# KiCad board MozzaCircuit.kicad_pcb (continued)
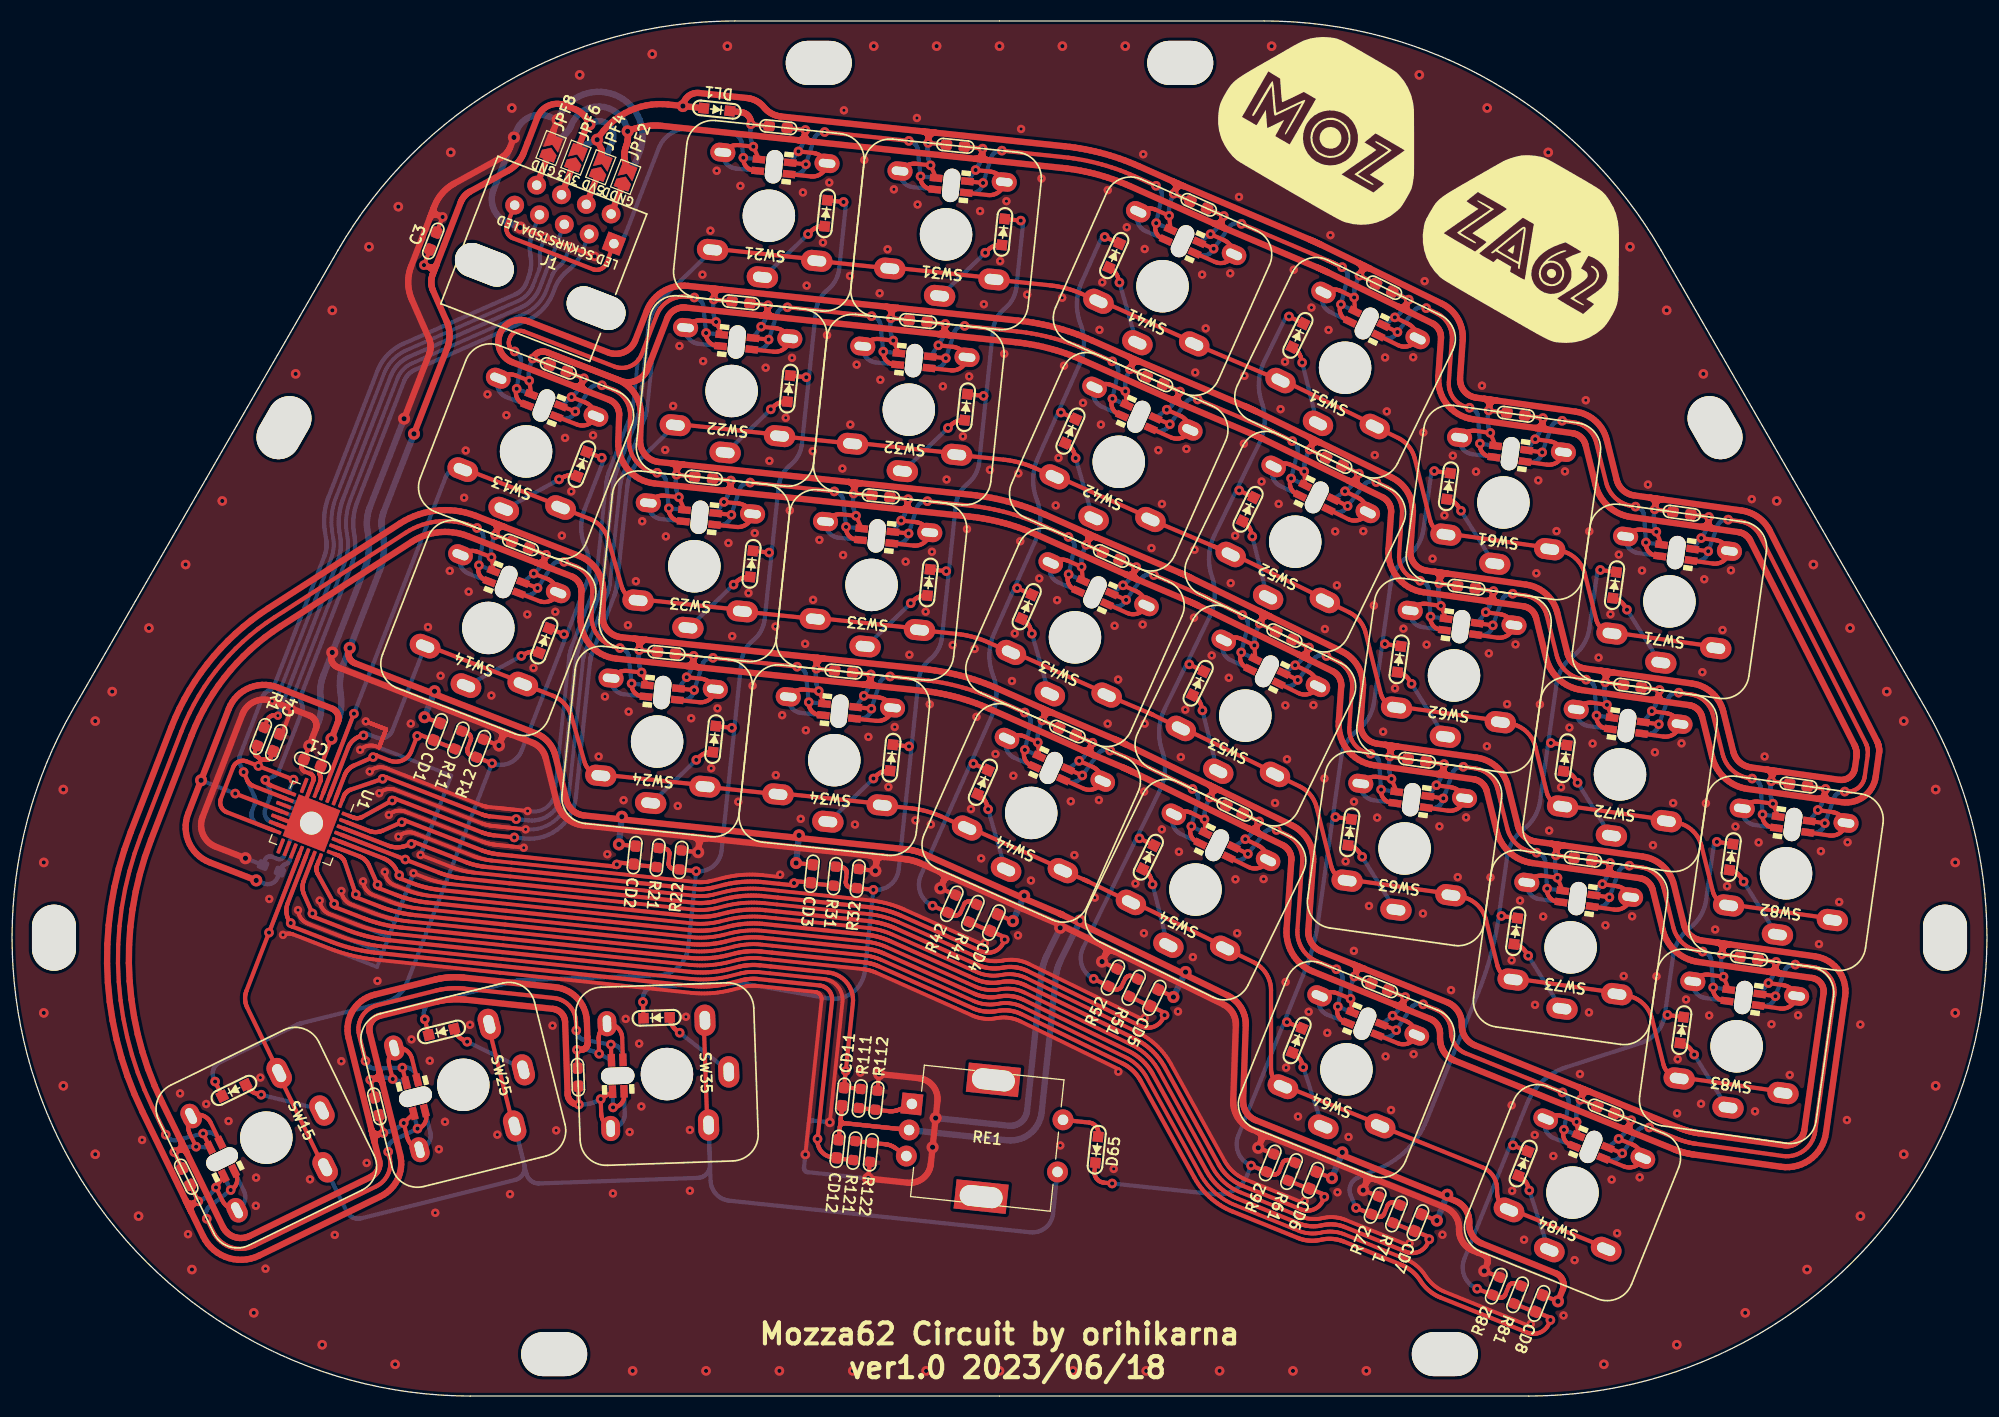
[diagram p0: board, top side]
## Routing (per net, layer and track width the routed paths; a pad name or vN(x,y) marks a point on that pad's centre or on a via; arc(x,y) is an arc through that point) (continued)
GND: length 1603.4
  Top w0.36: v3(33.75,64.36) 35.69,63.6 ; v3(33.75,64.36) 35.69,63.6 ; v3(33.75,64.36) 35.69,63.6 ; v3(33.75,64.36) 35.69,63.6 ; v3(33.75,64.36) 35.69,63.6 ; v3(33.75,64.36) 35.69,63.6 ; v3(33.75,64.36) 35.69,63.6 ; v3(33.75,64.36) 35.69,63.6 ; v3(33.75,64.36) 35.69,63.6 ; v3(33.75,64.36) 35.69,63.6 ; v3(33.75,64.36) 35.69,63.6 ; 35.69,63.6 35.02,61.87 ; 35.69,63.6 35.02,61.87 ; 35.69,63.6 35.02,61.87 ; 35.69,63.6 35.02,61.87 ; 35.69,63.6 35.02,61.87 ; 35.69,63.6 35.02,61.87 ; 35.69,63.6 35.02,61.87 ; 35.69,63.6 35.02,61.87 ; 35.69,63.6 35.02,61.87 ; 35.69,63.6 35.02,61.87 ; 35.69,63.6 35.02,61.87 ; 48.01,54.16 45.8,54.4 45.73,54.4 45.66,54.41 45.6,54.42 45.53,54.43 45.47,54.45 45.4,54.46 45.34,54.47 45.27,54.49 45.21,54.51 45.15,54.52 45.08,54.54 45.02,54.56 44.95,54.59 44.89,54.61 44.83,54.63 36.84,57.73 36.61,57.82 36.5,57.86 36.39,57.88 36.28,57.9 36.17,57.92 36.06,57.92 35.95,57.91 35.83,57.9 35.72,57.88 35.62,57.85 35.51,57.81 35.41,57.76 35.31,57.71 35.21,57.65 35.12,57.58 v3(35.04,57.51) ; v3(48.82,52.31) 45.84,52.62 ; 92.73,43.03 85.1,46.43 84.9,46.51 84.69,46.6 84.48,46.68 84.27,46.75 84.06,46.82 83.85,46.89 83.64,46.95 83.42,47.01 83.21,47.06 82.99,47.11 82.77,47.15 82.56,47.19 82.34,47.23 82.12,47.26 81.9,47.28 73.12,48.21 71.73,48.35 71.47,48.38 71.22,48.39 70.97,48.41 70.71,48.41 70.46,48.41 70.2,48.41 69.95,48.39 69.69,48.38 69.44,48.35 69.19,48.32 68.93,48.29 68.68,48.25 68.43,48.2 68.18,48.15 67.94,48.09 66.97,47.85 66.85,47.82 66.73,47.79 66.61,47.77 66.49,47.75 66.37,47.73 66.24,47.72 66.12,47.71 66,47.7 65.87,47.69 65.75,47.69 65.62,47.69 65.5,47.69 65.38,47.7 65.25,47.71 65.13,47.72 47.53,49.57 44.14,49.93 43.99,49.94 43.85,49.96 43.7,49.98 43.55,50.01 43.41,50.04 43.26,50.07 43.12,50.1 42.97,50.13 42.83,50.17 42.69,50.21 42.54,50.25 42.4,50.3 42.26,50.34 42.12,50.39 41.98,50.45 v3(38.97,51.61) ; 35.02,61.87 34.78,61.96 34.68,62 34.57,62.03 34.46,62.05 34.34,62.06 34.23,62.06 34.12,62.06 34.01,62.04 33.9,62.02 33.79,61.99 33.68,61.95 33.58,61.9 33.48,61.85 33.39,61.79 33.3,61.72 v3(33.21,61.65) ; 123.25,18.41 117.7,20.66 117.53,20.73 117.37,20.81 117.21,20.89 117.06,20.99 116.91,21.09 116.76,21.19 116.62,21.31 116.48,21.43 116.35,21.56 116.23,21.69 116.11,21.83 116,21.97 115.89,22.12 115.79,22.27 115.7,22.42 110.57,31.68 110.42,31.93 110.26,32.19 110.09,32.43 109.91,32.67 109.72,32.9 109.53,33.12 109.32,33.33 109.1,33.53 108.88,33.73 108.65,33.92 108.41,34.09 108.16,34.26 107.91,34.42 107.65,34.56 107.39,34.7 96.8,39.86 96.65,39.93 96.5,39.99 96.35,40.05 96.19,40.1 96.04,40.14 95.88,40.17 95.72,40.2 95.56,40.22 95.4,40.24 95.23,40.24 95.07,40.24 94.91,40.24 94.75,40.22 94.59,40.2 94.43,40.18 94.27,40.15 94.1,40.13 93.94,40.11 93.78,40.1 93.62,40.1 93.45,40.11 93.29,40.12 93.13,40.14 92.97,40.16 92.81,40.19 92.65,40.23 92.49,40.28 92.34,40.33 92.18,40.39 92.03,40.45 91.65,40.62 84.03,44.01 83.87,44.08 83.72,44.14 83.56,44.2 83.41,44.26 83.25,44.31 83.09,44.36 82.93,44.41 82.77,44.45 82.61,44.49 82.44,44.53 82.28,44.56 82.12,44.59 81.95,44.62 81.79,44.64 81.62,44.66 72.85,45.58 71.85,45.68 71.61,45.71 71.36,45.73 71.12,45.74 70.87,45.74 70.62,45.74 70.38,45.74 70.13,45.73 69.88,45.71 69.64,45.68 69.39,45.66 69.15,45.62 68.91,45.58 68.66,45.54 68.42,45.49 68.18,45.43 67.61,45.29 67.43,45.24 67.25,45.2 67.07,45.17 66.89,45.14 66.7,45.11 66.52,45.09 66.33,45.08 66.15,45.06 65.96,45.05 65.78,45.05 65.59,45.05 65.41,45.05 65.22,45.06 65.04,45.08 64.85,45.09 47.25,46.94 39.89,47.72 39.75,47.73 39.6,47.75 39.46,47.77 39.32,47.8 39.17,47.83 39.03,47.85 38.89,47.89 38.74,47.92 38.6,47.96 38.46,48 38.32,48.04 38.18,48.08 38.05,48.13 37.91,48.18 37.77,48.23 36.74,48.63 36.51,48.72 36.41,48.76 36.31,48.82 36.21,48.88 36.12,48.94 36.04,49.02 35.96,49.1 35.88,49.18 35.82,49.27 35.76,49.37 35.7,49.47 35.66,49.57 35.62,49.68 35.6,49.79 35.58,49.9 v3(35.56,50.01) ; 47.83,52.41 46.22,52.58 46.12,52.59 46.03,52.61 45.93,52.62 45.83,52.64 45.74,52.65 45.64,52.67 45.55,52.7 45.45,52.72 45.36,52.74 45.26,52.77 45.17,52.8 45.08,52.83 44.98,52.86 44.89,52.89 44.8,52.93 37.76,55.66 37.52,55.75 37.42,55.79 37.31,55.81 37.2,55.83 37.08,55.85 36.97,55.85 36.86,55.84 36.75,55.83 36.64,55.81 36.53,55.78 36.42,55.74 36.32,55.69 36.22,55.64 36.13,55.58 36.04,55.51 v3(35.95,55.44) ; 48.19,55.91 45.37,56.21 45.34,56.21 45.27,56.22 45.23,56.23 45.16,56.24 45.13,56.25 45.03,56.28 44.99,56.29 44.96,56.3 44.93,56.31 44.89,56.32 44.86,56.34 35.93,59.8 35.7,59.89 35.59,59.93 35.48,59.96 35.37,59.98 35.26,59.99 35.14,59.99 35.03,59.99 34.92,59.97 34.81,59.95 34.7,59.92 34.6,59.88 34.49,59.83 34.39,59.78 34.3,59.72 34.21,59.65 v3(34.13,59.58) ; 107.97,35.89 96.99,41.24 96.85,41.31 96.69,41.37 96.54,41.42 96.38,41.47 96.22,41.52 96.06,41.55 95.9,41.58 95.74,41.6 95.58,41.62 95.41,41.62 95.25,41.62 95.08,41.62 94.92,41.6 94.76,41.58 94.6,41.55 94.58,41.55 94.42,41.52 94.26,41.5 94.1,41.49 93.94,41.48 93.77,41.48 93.61,41.48 93.45,41.49 93.29,41.51 93.12,41.54 92.96,41.57 92.81,41.61 92.65,41.65 92.49,41.7 92.34,41.76 92.19,41.82 84.56,45.22 84.38,45.3 84.2,45.37 84.02,45.44 83.84,45.51 83.66,45.57 83.47,45.63 83.28,45.68 83.1,45.73 82.91,45.78 82.72,45.82 82.53,45.86 82.34,45.89 82.14,45.92 81.95,45.95 81.76,45.97 72.99,46.89 71.82,47.02 71.57,47.04 71.31,47.06 71.06,47.07 70.8,47.08 70.55,47.08 70.3,47.07 70.04,47.06 69.79,47.04 69.53,47.02 69.28,46.99 69.03,46.95 68.78,46.91 68.53,46.86 68.28,46.81 68.03,46.75 67.29,46.57 67.14,46.53 66.99,46.5 66.84,46.47 66.69,46.45 66.53,46.42 66.38,46.41 66.23,46.39 66.07,46.38 65.92,46.37 65.76,46.37 65.61,46.37 65.46,46.37 65.3,46.38 65.15,46.39 64.99,46.41 47.39,48.26 41.92,48.83 41.76,48.85 41.59,48.87 41.43,48.9 41.26,48.92 41.09,48.96 40.93,48.99 40.77,49.03 40.6,49.07 40.44,49.11 40.28,49.15 40.12,49.2 39.96,49.25 39.8,49.31 39.64,49.36 39.48,49.42 v3(38.3,49.88) ; v3(33.49,49.1) 33.51,48.98 33.53,48.87 33.55,48.76 33.59,48.66 33.63,48.55 33.69,48.45 33.75,48.36 33.81,48.27 33.89,48.18 33.97,48.1 34.05,48.03 34.14,47.96 34.24,47.9 34.34,47.85 34.44,47.81 34.67,47.72 36.05,47.18 36.23,47.11 36.41,47.05 36.6,46.99 36.79,46.93 36.97,46.87 37.16,46.82 37.35,46.77 37.54,46.72 37.73,46.68 37.92,46.64 38.11,46.61 38.31,46.57 38.5,46.54 38.69,46.52 38.89,46.5 47.11,45.63 64.72,43.78 64.93,43.76 65.15,43.75 65.37,43.74 65.58,43.73 65.8,43.73 66.01,43.74 66.23,43.75 66.44,43.76 66.66,43.78 66.87,43.81 67.09,43.84 67.3,43.87 67.51,43.91 67.72,43.96 67.93,44.01 68.5,44.15 68.71,44.2 68.92,44.24 69.14,44.28 69.35,44.32 69.56,44.35 69.78,44.37 69.99,44.39 70.21,44.41 70.42,44.42 70.64,44.42 70.85,44.42 71.07,44.42 71.29,44.41 71.5,44.39 71.72,44.37 72.71,44.27 81.48,43.35 81.62,43.33 81.76,43.31 81.9,43.29 82.03,43.26 82.17,43.24 82.31,43.21 82.44,43.17 82.58,43.14 82.71,43.1 82.84,43.06 82.97,43.01 83.1,42.97 83.23,42.92 83.36,42.86 83.49,42.81 91.12,39.41 91.89,39.07 92.04,39.01 92.19,38.95 92.34,38.9 92.5,38.85 92.65,38.82 92.81,38.79 92.97,38.76 93.13,38.74 93.29,38.73 93.45,38.73 93.62,38.73 93.78,38.74 93.94,38.75 94.1,38.77 94.26,38.8 94.42,38.83 94.58,38.85 94.74,38.86 94.9,38.87 95.06,38.87 95.22,38.86 95.38,38.84 95.54,38.82 95.7,38.8 95.85,38.76 96.01,38.72 96.16,38.67 96.31,38.62 96.46,38.56 96.61,38.49 106.81,33.51 107.03,33.4 107.24,33.28 107.44,33.15 107.65,33.02 107.84,32.87 108.03,32.72 108.22,32.56 108.39,32.39 108.56,32.22 108.72,32.04 108.88,31.85 109.03,31.65 109.17,31.45 109.3,31.25 109.42,31.04 114.55,21.78 114.67,21.58 114.8,21.37 114.94,21.18 115.09,20.99 115.25,20.8 115.41,20.63 115.59,20.46 115.77,20.3 115.95,20.15 116.15,20.01 116.35,19.87 116.56,19.75 116.77,19.63 116.99,19.53 117.21,19.43 122.75,17.19 122.86,17.15 122.99,17.1 123.14,17.05 123.28,17.01 123.42,16.97 123.57,16.94 123.72,16.92 123.86,16.9 124.01,16.89 124.16,16.88 124.31,16.88 124.46,16.89 124.6,16.9 124.75,16.92 124.9,16.95 125.04,16.98 125.19,17.01 125.34,17.03 125.48,17.05 125.63,17.06 125.78,17.07 125.93,17.07 126.08,17.06 126.23,17.05 126.37,17.04 126.52,17.01 126.67,16.98 126.81,16.95 126.95,16.9 127.09,16.86 127.23,16.8 133.26,14.37 ; v3(25.85,43.99) 25.91,44.02 25.96,44.04 26.02,44.06 26.08,44.08 26.14,44.09 26.2,44.11 26.26,44.11 26.33,44.12 26.39,44.12 26.45,44.12 26.51,44.11 26.57,44.1 26.63,44.09 26.69,44.08 26.75,44.06 26.81,44.04 30.22,42.72 30.51,42.61 30.8,42.5 31.1,42.4 31.4,42.31 31.7,42.22 32,42.14 32.3,42.06 32.6,41.98 32.9,41.92 33.21,41.85 33.52,41.8 33.82,41.74 34.13,41.7 34.44,41.66 34.75,41.62 46.56,40.38 64.8,38.46 65.06,38.44 65.31,38.42 65.56,38.41 65.82,38.4 66.07,38.4 66.33,38.41 66.58,38.42 66.84,38.44 67.09,38.46 67.34,38.49 67.59,38.53 67.85,38.57 68.1,38.62 68.34,38.67 68.59,38.73 69.78,39.02 69.87,39.05 69.96,39.06 70.05,39.08 70.14,39.1 70.24,39.11 70.33,39.12 70.42,39.13 70.51,39.14 70.61,39.14 70.7,39.14 70.79,39.14 70.89,39.14 70.98,39.14 71.07,39.13 71.16,39.12 72.16,39.02 76.64,38.55 76.71,38.53 76.78,38.52 76.84,38.49 76.91,38.46 76.97,38.42 77.02,38.37 77.07,38.32 77.12,38.27 77.16,38.21 77.19,38.15 77.21,38.08 77.23,38.01 77.24,37.94 77.25,37.87 77.24,37.8 v2(75.69,23.04) ; v2(78.03,26.11) 79.23,37.59 79.24,37.8 79.23,38.01 79.2,38.21 79.15,38.42 79.07,38.61 78.98,38.8 78.86,38.97 78.73,39.14 78.58,39.28 78.42,39.42 78.24,39.53 78.06,39.63 77.86,39.7 77.66,39.75 77.45,39.79 72.3,40.33 71.3,40.43 71.18,40.45 71.06,40.45 70.93,40.46 70.81,40.46 70.68,40.46 70.56,40.46 70.44,40.45 70.31,40.45 70.19,40.43 70.07,40.42 69.94,40.4 69.82,40.38 69.7,40.36 69.58,40.33 69.46,40.31 68.5,40.07 68.25,40.01 68,39.95 67.75,39.91 67.5,39.87 67.25,39.83 66.99,39.8 66.74,39.78 66.49,39.76 66.23,39.75 65.98,39.74 65.72,39.74 65.47,39.75 65.21,39.76 64.96,39.78 64.7,39.8 46.7,41.69 35.46,42.87 35.18,42.91 34.89,42.94 34.6,42.99 34.32,43.03 34.04,43.09 33.75,43.15 33.47,43.21 33.19,43.28 32.91,43.35 32.64,43.43 32.36,43.51 32.09,43.6 31.81,43.69 31.54,43.79 31.27,43.89 28.46,44.98 28.23,45.07 28.13,45.11 28.03,45.16 27.93,45.22 27.84,45.29 27.76,45.36 27.68,45.44 27.6,45.53 27.54,45.62 27.48,45.72 27.42,45.82 27.38,45.92 27.34,46.02 27.31,46.13 27.29,46.24 v3(27.28,46.36) ; v3(49,54.06) 46.02,54.37 ; v3(49.19,55.81) 46.2,56.12 ; 144.82,6.66 136.72,9.94 136.57,10 136.42,10.07 136.28,10.15 136.14,10.23 136,10.31 135.87,10.41 135.74,10.51 135.61,10.61 135.49,10.72 135.37,10.83 135.26,10.95 135.15,11.07 135.05,11.2 134.95,11.33 134.86,11.47 134.84,11.5 134.74,11.64 134.64,11.78 134.54,11.91 134.43,12.03 134.31,12.16 134.19,12.27 134.07,12.39 133.94,12.49 133.8,12.59 133.66,12.69 133.52,12.78 133.38,12.87 133.23,12.94 133.07,13.02 132.92,13.08 132.77,13.15 127.12,15.43 126.99,15.48 126.84,15.53 126.7,15.57 126.56,15.6 126.41,15.63 126.27,15.66 126.12,15.67 125.97,15.68 125.82,15.69 125.67,15.69 125.52,15.68 125.38,15.67 125.23,15.65 125.08,15.63 124.94,15.6 124.79,15.57 124.64,15.54 124.5,15.52 124.35,15.51 124.2,15.5 124.05,15.5 123.9,15.51 123.75,15.52 123.61,15.54 123.46,15.56 123.31,15.59 123.17,15.63 123.03,15.67 122.89,15.72 122.75,15.77 122.26,15.97 116.71,18.21 116.44,18.33 116.16,18.46 115.9,18.6 115.64,18.76 115.39,18.93 115.15,19.1 114.91,19.29 114.69,19.49 114.47,19.7 114.26,19.92 114.07,20.15 113.88,20.39 113.71,20.63 113.54,20.89 113.39,21.15 108.26,30.4 108.17,30.56 108.07,30.72 107.96,30.88 107.84,31.03 107.72,31.17 107.6,31.32 107.46,31.45 107.33,31.58 107.18,31.71 107.04,31.83 106.88,31.94 106.73,32.05 106.56,32.15 106.4,32.24 106.23,32.33 96.41,37.11 96.27,37.18 96.12,37.24 95.97,37.3 95.82,37.34 95.67,37.38 95.51,37.42 95.35,37.45 95.2,37.47 95.04,37.48 94.88,37.49 94.72,37.49 94.56,37.48 94.4,37.47 94.24,37.45 93.93,37.39 93.77,37.37 93.61,37.36 93.45,37.35 93.29,37.35 93.13,37.35 92.97,37.37 92.82,37.38 92.66,37.41 92.5,37.44 92.35,37.48 92.19,37.52 92.04,37.57 91.89,37.63 91.74,37.69 90.58,38.21 82.95,41.6 82.85,41.65 82.75,41.69 82.64,41.73 82.54,41.77 82.43,41.8 82.32,41.84 82.22,41.87 82.11,41.9 82,41.92 81.89,41.95 81.78,41.97 81.67,41.99 81.56,42.01 81.45,42.02 81.34,42.03 72.57,42.96 71.58,43.06 71.39,43.08 71.21,43.09 71.02,43.1 70.84,43.1 70.65,43.1 70.47,43.1 70.28,43.09 70.1,43.08 69.91,43.06 69.73,43.04 69.55,43.01 69.36,42.98 69.18,42.95 69,42.91 68.82,42.87 68.25,42.73 68.01,42.67 67.77,42.62 67.53,42.57 67.28,42.53 67.04,42.5 66.79,42.47 66.55,42.45 66.3,42.43 66.06,42.42 65.81,42.41 65.56,42.41 65.32,42.42 65.07,42.43 64.82,42.45 64.58,42.47 46.98,44.32 37.86,45.28 37.62,45.3 37.38,45.34 37.14,45.37 36.9,45.41 36.66,45.46 36.43,45.5 36.19,45.56 35.96,45.61 35.72,45.67 35.49,45.74 35.26,45.81 35.03,45.88 34.8,45.96 34.57,46.04 34.35,46.13 32.6,46.8 32.37,46.89 32.27,46.94 32.17,46.99 32.07,47.05 31.98,47.12 31.9,47.19 31.82,47.27 31.74,47.36 31.68,47.45 31.62,47.54 31.56,47.64 31.52,47.74 31.48,47.85 31.45,47.96 31.43,48.07 v3(31.42,48.18) ; 73.26,49.52 71.63,49.69 71.38,49.71 71.13,49.73 70.87,49.74 70.62,49.75 70.36,49.75 70.11,49.74 69.85,49.73 69.6,49.71 69.35,49.69 69.09,49.66 68.84,49.62 68.59,49.58 68.34,49.54 68.09,49.48 67.84,49.42 66.66,49.13 66.57,49.11 66.48,49.09 66.38,49.07 66.29,49.06 66.2,49.04 66.11,49.03 66.01,49.02 65.92,49.02 65.83,49.01 65.74,49.01 65.64,49.01 65.55,49.01 65.46,49.02 65.36,49.02 65.27,49.03 47.66,50.88 45.83,51.08 45.71,51.09 45.58,51.11 45.46,51.12 45.34,51.14 45.21,51.17 45.09,51.19 44.97,51.22 44.85,51.25 44.73,51.28 44.61,51.31 44.49,51.35 44.37,51.39 44.25,51.43 44.13,51.47 44.02,51.51 38.67,53.59 38.43,53.68 38.33,53.72 38.22,53.74 38.11,53.76 38,53.78 37.88,53.78 37.77,53.77 37.66,53.76 37.55,53.74 37.44,53.71 37.34,53.67 37.23,53.62 37.13,53.57 37.04,53.51 36.95,53.44 v3(36.87,53.37) ; v3(29.35,47.27) 29.36,47.16 29.38,47.05 29.41,46.94 29.45,46.83 29.49,46.73 29.55,46.63 29.61,46.53 29.67,46.44 29.75,46.36 29.83,46.28 29.91,46.2 30,46.14 30.1,46.08 30.2,46.02 30.3,45.98 30.53,45.89 32.81,45.01 33.06,44.91 33.31,44.82 33.56,44.74 33.81,44.66 34.06,44.58 34.32,44.51 34.58,44.44 34.83,44.38 35.09,44.32 35.35,44.27 35.61,44.22 35.87,44.18 36.13,44.14 36.4,44.11 36.66,44.08 46.84,43.01 64.61,41.14 64.87,41.11 65.12,41.1 65.37,41.08 65.63,41.08 65.88,41.08 66.14,41.08 66.39,41.1 66.65,41.11 66.9,41.14 67.15,41.17 67.41,41.2 67.66,41.24 67.91,41.29 68.16,41.34 68.4,41.4 69.14,41.59 69.29,41.62 69.44,41.65 69.59,41.68 69.75,41.71 69.9,41.73 70.05,41.75 70.21,41.76 70.36,41.77 70.51,41.78 70.67,41.78 70.82,41.78 70.98,41.78 71.13,41.77 71.29,41.76 71.44,41.75 72.43,41.64 81.21,40.72 81.29,40.71 81.37,40.7 81.46,40.69 81.54,40.67 81.62,40.65 81.7,40.64 81.78,40.62 81.87,40.59 81.95,40.57 82.03,40.55 82.11,40.52 82.18,40.49 82.26,40.46 82.34,40.43 82.42,40.4 90.04,37 91.6,36.31 91.74,36.25 91.89,36.19 92.04,36.14 92.2,36.1 92.35,36.06 92.5,36.03 92.66,36.01 92.82,35.99 92.97,35.98 93.13,35.97 93.29,35.97 93.45,35.98 93.61,36 93.76,36.02 93.92,36.04 94.07,36.07 94.23,36.09 94.39,36.1 94.54,36.11 94.7,36.11 94.86,36.1 95.02,36.09 95.17,36.07 95.33,36.04 95.48,36.01 95.63,35.97 95.78,35.92 95.93,35.87 96.08,35.81 96.22,35.74 105.65,31.14
  Top w0.4: U1.12 28.33,54.05 U1.29 ; U1.29 28.1,53.44 25.21,54.56 ; U1.29 27.36,55.12 U1.6 28.75,58.71 28.77,58.76 28.78,58.81 28.78,58.86 28.78,58.92 28.78,58.97 28.77,59.02 28.75,59.07 28.73,59.12 28.7,59.16 28.67,59.21 28.64,59.25 28.6,59.28 28.56,59.31 28.51,59.34 28.46,59.36 27.94,59.56 27.89,59.58 27.85,59.61 27.8,59.64 27.77,59.68 27.73,59.72 27.7,59.76 27.67,59.8 27.65,59.85 27.64,59.9 27.63,59.95 27.62,60 27.62,60.06 27.63,60.11 27.64,60.16 27.65,60.21 C1.2 v1(28.36,62.03) ; v3(26.69,65.57) 25.72,63.07 25.53,63.14 ; 90.03,47.79 v1(88.57,48.44) ; 120.39,23.08 v1(118.9,23.68) ; R12.2 v1(46.46,62.06) ; R122.2 v1(81.69,20.75) ; R22.2 v1(65.47,51.88) ; C3.2 v2(41.08,112.48) ; R52.2 v1(104,41.44) ; R82.2 v1(140.47,11.93) ; R32.2 v1(82.37,50.1) ; R112.2 v1(82.73,30.72) ; R72.2 v1(128.92,19.63) ; v2(55.59,108.71) v1(48.49,111.47)
  Top w0.6: v1(47.89,120.07) 47.53,119.14 47.49,119.05 47.45,118.97 47.41,118.88 47.36,118.8 47.31,118.73 47.25,118.65 47.2,118.58 47.13,118.51 47.07,118.44 47,118.38 46.93,118.32 46.86,118.26 46.78,118.2 46.71,118.15 46.62,118.11 42.2,115.67 42.03,115.57 41.86,115.47 41.7,115.36 41.55,115.23 41.4,115.11 41.26,114.97 41.12,114.83 40.99,114.68 40.87,114.53 40.76,114.37 40.65,114.21 40.55,114.04 40.46,113.87 40.38,113.69 40.3,113.51 39.17,110.58 38.08,107.78 38.01,107.58 37.94,107.37 37.89,107.15 37.85,106.94 37.82,106.72 37.8,106.5 37.8,106.28 37.8,106.06 37.82,105.84 37.85,105.62 37.89,105.41 37.94,105.19 38,104.98 38.07,104.77 38.15,104.57 39.76,100.92 39.8,100.83 39.84,100.73 39.87,100.63 39.89,100.53 39.91,100.42 39.92,100.32 39.93,100.22 39.93,100.11 39.93,100.01 39.92,99.9 39.91,99.8 39.89,99.7 39.86,99.59 39.83,99.49 39.8,99.39 v1(37.41,93.23) ; 119.2,24.42 v1(118.9,23.68) 119.2,24.42 ; 119.2,24.42 119.23,24.48 119.26,24.53 119.3,24.58 119.34,24.63 119.39,24.67 119.44,24.71 119.5,24.74 119.55,24.76 119.61,24.78 119.68,24.79 119.74,24.8 119.8,24.8 119.86,24.79 119.92,24.77 119.98,24.75 120.08,24.72 119.43,24.98 ; 119.2,24.42 119.22,24.48 119.24,24.54 119.25,24.61 119.25,24.67 119.24,24.73 119.23,24.79 119.21,24.85 119.19,24.91 119.16,24.97 119.12,25.02 119.08,25.06 119.03,25.11 118.98,25.14 118.93,25.18 118.87,25.2 118.78,25.24 119.43,24.98 ; v1(140.47,11.93) 140.77,12.67 140.79,12.73 140.81,12.79 140.81,12.85 140.82,12.92 140.81,12.98 140.8,13.04 140.78,13.1 140.76,13.16 140.72,13.21 140.69,13.27 140.65,13.31 140.6,13.36 140.55,13.39 140.5,13.43 140.44,13.45 139.79,13.71 139.88,13.68 139.4,13.87 139.24,13.95 139.09,14.03 138.94,14.13 138.81,14.23 138.68,14.35 138.56,14.48 138.46,14.62 138.36,14.77 138.28,14.92 138.21,15.08 138.15,15.24 138.11,15.41 138.08,15.58 138.06,15.76 138.06,15.93 138.06,15.95 138.06,16.12 138.05,16.29 138.02,16.46 137.98,16.63 137.92,16.79 137.85,16.95 137.77,17.1 137.68,17.25 137.57,17.38 137.45,17.51 137.33,17.63 137.19,17.73 137.05,17.83 136.9,17.91 136.74,17.98 119.43,24.98 ; 82.52,51.5 83.22,51.42 83.12,51.43 83.05,51.44 82.99,51.43 82.93,51.42 82.87,51.41 82.81,51.39 82.75,51.36 82.7,51.32 82.65,51.28 82.61,51.24 82.57,51.19 82.54,51.14 82.51,51.08 82.48,51.02 82.47,50.96 82.46,50.9 ; 82.52,51.5 81.82,51.57 81.92,51.56 81.99,51.55 82.05,51.53 82.11,51.51 82.16,51.48 82.21,51.45 82.26,51.41 82.31,51.36 82.35,51.32 82.38,51.26 82.41,51.21 82.43,51.15 82.45,51.09 82.46,51.03 82.46,50.96 82.46,50.9 ; 82.52,51.5 85.16,51.22 85.27,51.21 85.38,51.19 85.48,51.18 85.59,51.16 85.69,51.14 85.8,51.11 85.9,51.09 86,51.06 86.11,51.03 86.21,51 86.31,50.96 86.41,50.93 86.51,50.89 86.61,50.85 86.71,50.81 96.45,46.47 99.71,45.08 99.76,45.06 99.78,45.05 99.8,45.05 99.83,45.03 99.86,45.02 99.88,45.01 99.89,45 99.91,44.99 99.93,44.99 99.96,44.97 104.61,42.7 ; 82.52,51.5 65.61,53.27 ; v1(28.36,62.03) 28.97,63.61 29.01,63.71 29.03,63.81 29.04,63.92 29.04,64.02 29.03,64.13 29.01,64.23 28.98,64.33 28.93,64.42 28.88,64.52 28.82,64.6 28.75,64.68 28.67,64.75 28.59,64.81 28.5,64.86 28.4,64.91 24.83,66.29 24.61,66.37 24.38,66.41 24.15,66.44 23.92,66.44 23.69,66.42 23.47,66.37 23.25,66.3 23.04,66.21 22.84,66.09 22.65,65.96 22.48,65.8 22.33,65.63 22.19,65.45 22.07,65.25 21.98,65.04 19.34,58.23 18.18,55.25 18.11,55.03 18.06,54.81 18.04,54.58 18.04,54.35 18.06,54.12 18.11,53.89 18.18,53.67 18.27,53.46 18.38,53.26 18.52,53.08 18.67,52.9 18.84,52.75 19.03,52.61 19.23,52.5 19.44,52.4 v1(22.27,51.3) ; 82.46,50.9 v1(82.37,50.1) 82.46,50.9 ; 46.96,63.36 46.31,63.62 46.41,63.58 46.46,63.56 46.52,63.52 46.57,63.49 46.61,63.44 46.66,63.4 46.69,63.35 46.72,63.29 46.75,63.24 46.77,63.18 46.78,63.11 46.79,63.05 46.79,62.99 46.78,62.93 46.77,62.86 46.75,62.81 ; 46.96,63.36 47.62,63.11 47.52,63.15 47.46,63.17 47.4,63.18 47.34,63.19 47.28,63.19 47.22,63.18 47.15,63.17 47.09,63.15 47.04,63.12 46.98,63.09 46.93,63.06 46.88,63.01 46.84,62.97 46.81,62.92 46.77,62.86 46.75,62.81 ; 46.96,63.36 31.08,69.53 30.98,69.57 30.89,69.62 30.81,69.68 30.73,69.75 30.66,69.83 30.6,69.92 30.55,70.01 30.5,70.1 30.47,70.2 30.45,70.31 30.44,70.41 30.44,70.51 30.45,70.62 30.47,70.72 30.51,70.82 v1(30.55,70.94) ; 46.96,63.36 49.63,62.33 49.75,62.28 49.87,62.22 49.99,62.15 50.1,62.07 50.21,61.99 50.31,61.9 50.4,61.81 50.49,61.71 50.58,61.6 50.65,61.49 50.72,61.37 50.78,61.25 50.83,61.13 50.88,61 50.91,60.87 51.98,56.62 52.04,56.39 52.13,56.17 52.23,55.96 52.35,55.76 52.48,55.57 52.63,55.38 52.8,55.22 52.97,55.06 53.16,54.92 53.36,54.8 53.57,54.69 53.79,54.6 54.01,54.53 54.24,54.48 54.47,54.45 65.61,53.27 ; 40.52,112.7 v2(41.08,112.48) 40.52,112.7 ; 40.52,112.7 40.47,112.71 40.42,112.72 40.37,112.73 40.32,112.73 40.27,112.72 40.22,112.71 40.17,112.7 40.12,112.68 40.07,112.65 40.03,112.62 39.99,112.59 39.96,112.55 39.92,112.5 39.9,112.46 39.88,112.41 40.24,113.34 40.22,113.29 40.21,113.24 40.21,113.19 40.21,113.14 40.21,113.09 40.22,113.04 40.24,112.99 40.26,112.94 40.28,112.89 40.31,112.85 40.35,112.81 40.39,112.78 40.43,112.74 40.48,112.72 40.52,112.7 ; v1(81.69,20.75) 85.47,20.35 85.67,20.34 85.88,20.35 86.09,20.38 86.29,20.44 86.49,20.51 86.67,20.61 86.85,20.72 87.01,20.85 87.16,21 87.29,21.17 87.41,21.34 87.5,21.53 87.58,21.72 87.63,21.93 87.66,22.13 v1(88.12,26.52) 88.29,28.13 88.3,28.33 88.29,28.54 88.26,28.75 88.21,28.95 88.13,29.15 88.04,29.33 87.92,29.51 87.79,29.67 87.64,29.82 87.48,29.95 87.3,30.07 87.12,30.16 86.92,30.24 86.72,30.29 86.51,30.32 v1(82.73,30.72) ; 119.43,24.98 118.32,25.43 118.1,25.53 117.9,25.64 117.7,25.77 117.52,25.92 117.34,26.08 117.19,26.25 117.04,26.44 116.91,26.63 116.8,26.84 116.71,27.05 116.63,27.28 116.57,27.51 116.53,27.74 116.51,27.97 116.51,28.21 116.76,35.38 116.76,35.54 116.75,35.7 116.72,35.87 116.69,36.02 116.64,36.18 116.57,36.33 116.5,36.47 116.42,36.61 116.32,36.74 116.22,36.87 116.11,36.98 115.99,37.09 115.86,37.19 115.72,37.28 115.58,37.35 104.61,42.7 ; 104.61,42.7 105.24,42.39 105.15,42.44 105.1,42.46 105.04,42.48 104.97,42.49 104.91,42.5 104.85,42.5 104.79,42.49 104.73,42.48 104.67,42.45 104.61,42.43 104.55,42.4 104.5,42.36 104.46,42.32 104.42,42.27 104.38,42.22 104.35,42.16 ; 104.61,42.7 103.99,43.01 104.07,42.96 104.13,42.93 104.18,42.9 104.23,42.86 104.27,42.81 104.31,42.76 104.34,42.71 104.37,42.65 104.39,42.59 104.4,42.53 104.41,42.47 104.41,42.4 104.41,42.34 104.39,42.28 104.38,42.22 104.35,42.16 ; 104.35,42.16 v1(104,41.44) 104.35,42.16 ; 65.55,52.68 65.55,52.74 65.55,52.8 65.54,52.87 65.53,52.93 65.5,52.98 65.47,53.04 65.44,53.09 65.4,53.14 65.36,53.19 65.31,53.23 65.25,53.26 65.2,53.29 65.14,53.31 65.08,53.33 65.02,53.34 64.92,53.35 65.61,53.27 ; 65.55,52.68 v1(65.47,51.88) 65.55,52.68 ; 65.55,52.68 65.56,52.74 65.58,52.8 65.6,52.86 65.63,52.92 65.66,52.97 65.7,53.02 65.75,53.06 65.8,53.1 65.85,53.13 65.9,53.16 65.96,53.19 66.02,53.2 66.09,53.21 66.15,53.22 66.21,53.21 66.31,53.2 65.61,53.27 ; 88.9,49.17 v1(88.57,48.44) 88.9,49.17 ; 88.9,49.17 88.92,49.23 88.94,49.29 88.95,49.36 88.95,49.42 88.95,49.48 88.94,49.54 88.92,49.6 88.9,49.66 88.87,49.72 88.83,49.77 88.79,49.82 88.75,49.86 88.7,49.9 88.65,49.94 88.59,49.97 88.5,50.01 89.14,49.72 89.78,49.44 89.69,49.48 89.63,49.5 89.57,49.52 89.51,49.53 89.45,49.53 89.38,49.53 89.32,49.52 89.26,49.5 89.2,49.48 89.15,49.45 89.09,49.42 89.04,49.38 89,49.33 88.96,49.28 88.92,49.23 88.9,49.17 ; 46.75,62.81 v1(46.46,62.06) 46.75,62.81 ; 129.22,20.38 v1(128.92,19.63) 129.22,20.38 ; 129.22,20.38 129.24,20.44 129.25,20.5 129.26,20.56 129.26,20.62 129.25,20.68 129.24,20.75 129.22,20.81 129.2,20.86 129.17,20.92 129.13,20.97 129.09,21.02 129.05,21.06 129,21.1 128.94,21.13 128.88,21.16 128.79,21.19 130.09,20.67 130,20.71 129.94,20.73 129.88,20.74 129.81,20.75 129.75,20.75 129.69,20.75 129.63,20.73 129.57,20.72 129.51,20.69 129.45,20.66 129.4,20.62 129.36,20.58 129.31,20.54 129.28,20.49 129.24,20.43 129.22,20.38 ; v1(52.05,121.74) 51.67,120.75 51.65,120.69 51.63,120.62 51.61,120.55 51.6,120.49 51.59,120.42 51.58,120.35 51.58,120.28 51.58,120.21 51.59,120.14 51.6,120.07 51.61,120 51.63,119.93 51.65,119.87 51.67,119.8 51.69,119.74
  Bottom w0.36: v3(48.82,52.31) 45.84,52.62 ; 59.73,98.93 59.26,94.45 59.25,94.4 59.24,94.35 59.24,94.29 59.23,94.24 59.21,94.14 59.19,94.09 59.18,94.03 59.15,93.93 59.14,93.88 59.12,93.83 59.11,93.78 59.09,93.73 59.07,93.68 56.99,88.33 56.96,88.24 56.93,88.16 56.9,88.07 56.88,87.99 56.85,87.9 56.83,87.82 56.8,87.73 56.78,87.65 56.76,87.56 56.75,87.47 56.73,87.38 56.71,87.3 56.7,87.21 56.69,87.12 56.68,87.03 56.17,82.21 55.7,77.73 55.7,77.68 55.69,77.63 55.68,77.57 55.67,77.52 55.65,77.42 55.64,77.37 55.63,77.31 55.6,77.21 55.59,77.16 55.57,77.11 55.55,77.06 55.53,77.01 55.52,76.96 53.44,71.61 53.41,71.52 53.38,71.44 53.35,71.35 53.32,71.27 53.3,71.18 53.27,71.1 53.25,71.01 53.23,70.93 53.21,70.84 53.19,70.75 53.18,70.66 53.16,70.58 53.15,70.49 53.14,70.4 53.13,70.31 52.62,65.49 51.78,57.55 51.75,57.34 51.7,57.14 51.62,56.94 51.53,56.76 51.41,56.58 51.28,56.42 51.13,56.27 50.97,56.14 50.79,56.02 50.61,55.93 50.41,55.85 50.21,55.8 50,55.77 49.79,55.76 49.59,55.77 v3(49.19,55.81) 46.2,56.12 ; v3(38.97,51.61) 40.76,56.21 36.84,57.73 36.61,57.82 36.5,57.86 36.39,57.88 36.28,57.9 36.17,57.92 36.06,57.92 35.95,57.91 35.83,57.9 35.72,57.88 35.62,57.85 35.51,57.81 35.41,57.76 35.31,57.71 35.21,57.65 35.12,57.58 v3(35.04,57.51) ; v3(38.97,51.61) 40.18,54.72 37.76,55.66 37.52,55.75 37.42,55.79 37.31,55.81 37.2,55.83 37.08,55.85 36.97,55.85 36.86,55.84 36.75,55.83 36.64,55.81 36.53,55.78 36.42,55.74 36.32,55.69 36.22,55.64 36.13,55.58 36.04,55.51 v3(35.95,55.44) ; v3(38.97,51.61) 41.34,57.7 35.93,59.8 35.7,59.89 35.59,59.93 35.48,59.96 35.37,59.98 35.26,59.99 35.14,59.99 35.03,59.99 34.92,59.97 34.81,59.95 34.7,59.92 34.6,59.88 34.49,59.83 34.39,59.78 34.3,59.72 34.21,59.65 v3(34.13,59.58) ; v3(38.97,51.61) 39.6,53.23 38.67,53.59 38.43,53.68 38.33,53.72 38.22,53.74 38.11,53.76 38,53.78 37.88,53.78 37.77,53.77 37.66,53.76 37.55,53.74 37.44,53.71 37.34,53.67 37.23,53.62 37.13,53.57 37.04,53.51 36.95,53.44 v3(36.87,53.37) ; v3(38.97,51.61) 41.91,59.19 35.02,61.87 34.78,61.96 34.68,62 34.57,62.03 34.46,62.05 34.34,62.06 34.23,62.06 34.12,62.06 34.01,62.04 33.9,62.02 33.79,61.99 33.68,61.95 33.58,61.9 33.48,61.85 33.39,61.79 33.3,61.72 v3(33.21,61.65) ; v3(24.83,66.29) 24.88,66.32 24.93,66.35 24.98,66.38 25.02,66.41 25.07,66.44 25.11,66.48 25.16,66.52 25.19,66.56 25.23,66.6 25.27,66.65 25.3,66.7 25.33,66.74 25.36,66.79 25.38,66.85 25.4,66.9 27.62,72.61 30.44,79.89 30.49,80.01 30.53,80.13 30.56,80.26 30.59,80.38 30.62,80.51 30.64,80.63 30.66,80.76 30.68,80.89 30.69,81.02 30.69,81.14 30.69,81.27 30.69,81.4 30.68,81.53 30.67,81.66 30.65,81.78 30.54,82.46 30.51,82.68 30.49,82.9 30.48,83.11 30.47,83.33 30.47,83.55 30.48,83.77 30.5,83.98 30.52,84.2 30.55,84.42 30.59,84.63 30.64,84.84 30.69,85.05 30.75,85.26 30.82,85.47 30.89,85.67 34.11,93.97 35.49,97.54 35.57,97.73 35.67,97.92 35.77,98.11 35.88,98.29 36,98.46 36.13,98.63 36.27,98.79 36.41,98.94 36.57,99.09 36.73,99.22 36.9,99.35 37.07,99.47 37.25,99.58 37.44,99.68 37.63,99.77 48.29,104.47 48.42,104.53 48.54,104.6 48.66,104.67 48.78,104.75 48.89,104.84 49,104.93 49.1,105.02 49.19,105.13 49.29,105.23 49.37,105.34 49.45,105.46 49.53,105.58 49.59,105.7 49.65,105.83 49.71,105.96 49.89,106.42 50.25,107.35 50.28,107.42 50.3,107.5 50.32,107.57 50.34,107.65 50.36,107.72 50.37,107.8 50.38,107.87 50.39,107.95 50.4,108.03 50.4,108.1 50.4,108.18 50.4,108.26 50.39,108.33 50.38,108.41 50.37,108.49 50.36,108.56 50.35,108.64 50.35,108.72 50.35,108.79 50.35,108.87 50.35,108.95 50.36,109.02 50.36,109.1 50.37,109.18 50.39,109.25 50.4,109.33 50.42,109.4 50.45,109.48 50.47,109.55 50.5,109.62 v2(50.86,110.55) ; v3(38.3,49.88) 36.52,45.28 32.6,46.8 32.37,46.89 32.27,46.94 32.17,46.99 32.07,47.05 31.98,47.12 31.9,47.19 31.82,47.27 31.74,47.36 31.68,47.45 31.62,47.54 31.56,47.64 31.52,47.74 31.48,47.85 31.45,47.96 31.43,48.07 v3(31.42,48.18) ; v3(38.3,49.88) 37.1,46.78 34.67,47.72 34.44,47.81 34.34,47.85 34.24,47.9 34.14,47.96 34.05,48.03 33.97,48.1 33.89,48.18 33.81,48.27 33.75,48.36 33.69,48.45 33.63,48.55 33.59,48.66 33.55,48.76 33.53,48.87 33.51,48.98 v3(33.49,49.1) ; v3(38.3,49.88) 37.68,48.27 36.74,48.63 36.51,48.72 36.41,48.76 36.31,48.82 36.21,48.88 36.12,48.94 36.04,49.02 35.96,49.1 35.88,49.18 35.82,49.27 35.76,49.37 35.7,49.47 35.66,49.57 35.62,49.68 35.6,49.79 35.58,49.9 v3(35.56,50.01) ; v3(38.3,49.88) 35.36,42.3 28.46,44.98 28.23,45.07 28.13,45.11 28.03,45.16 27.93,45.22 27.84,45.29 27.76,45.36 27.68,45.44 27.6,45.53 27.54,45.62 27.48,45.72 27.42,45.82 27.38,45.92 27.34,46.02 27.31,46.13 27.29,46.24 v3(27.28,46.36) ; v3(38.3,49.88) 35.94,43.79 30.53,45.89 30.3,45.98 30.2,46.02 30.1,46.08 30,46.14 29.91,46.2 29.83,46.28 29.75,46.36 29.67,46.44 29.61,46.53 29.55,46.63 29.49,46.73 29.45,46.83 29.41,46.94 29.38,47.05 29.36,47.16 v3(29.35,47.27) ; v3(38.3,49.88) 34.83,40.93 26.81,44.04 26.75,44.06 26.69,44.08 26.63,44.09 26.57,44.1 26.51,44.11 26.45,44.12 26.39,44.12 26.33,44.12 26.26,44.11 26.2,44.11 26.14,44.09 26.08,44.08 26.02,44.06 25.96,44.04 25.91,44.02 v3(25.85,43.99) ; v3(26.69,65.57) 26.67,65.62 26.65,65.68 26.63,65.73 26.62,65.79 26.61,65.84 26.6,65.9 26.6,65.96 26.6,66.02 26.6,66.07 26.6,66.13 26.61,66.19 26.62,66.24 26.63,66.3 26.65,66.35 26.67,66.41 28.89,72.12 31.71,79.4 31.77,79.56 31.83,79.73 31.88,79.9 31.92,80.07 31.96,80.24 31.99,80.42 32.01,80.59 32.03,80.76 32.04,80.94 32.05,81.12 32.05,81.29 32.05,81.47 32.03,81.64 32.02,81.82 31.99,81.99 31.94,82.31 31.91,82.53 31.89,82.74 31.88,82.96 31.87,83.18 31.87,83.4 31.88,83.61 31.9,83.83 31.92,84.05 31.95,84.26 31.99,84.48 32.03,84.69 32.09,84.9 32.15,85.11 32.22,85.32 32.29,85.52 35.38,93.48 36.76,97.04 36.82,97.17 36.88,97.3 36.94,97.42 37.02,97.54 37.1,97.66 37.18,97.77 37.27,97.88 37.37,97.98 37.47,98.07 37.58,98.16 37.69,98.25 37.81,98.33 37.93,98.4 38.05,98.47 38.18,98.53 48.84,103.23 49.03,103.32 49.22,103.42 49.4,103.53 49.57,103.65 49.74,103.78 49.9,103.91 50.06,104.06 50.2,104.21 50.34,104.37 50.47,104.54 50.59,104.71 50.7,104.89 50.8,105.08 50.89,105.27 50.98,105.46 51.16,105.93 51.52,106.86 51.55,106.93 51.58,107 51.61,107.07 51.65,107.14 51.69,107.21 51.73,107.27 51.77,107.33 51.82,107.4 51.86,107.46 51.91,107.52 51.97,107.57 52.02,107.63 52.07,107.68 52.13,107.73 52.19,107.78 52.25,107.83 52.31,107.88 52.36,107.94 52.42,107.99 52.47,108.05 52.52,108.11 52.57,108.17 52.61,108.23 52.65,108.29 52.69,108.36 52.73,108.42 52.77,108.49 52.8,108.56 52.84,108.63 52.86,108.7 v2(53.23,109.63) ; 46.02,54.37 v3(49,54.06) 49.4,54.04 49.79,54.06 50.18,54.12 50.56,54.22 50.93,54.36 51.28,54.54 51.61,54.76 51.91,55 52.19,55.28 52.44,55.59 52.65,55.92 52.83,56.27 52.97,56.64 53.07,57.02 53.14,57.41 53.97,65.34 54.48,70.17 54.48,70.23 54.49,70.3 54.5,70.36 54.51,70.43 54.53,70.49 54.54,70.55 54.55,70.62 54.57,70.68 54.58,70.74 54.6,70.81 54.62,70.87 54.64,70.93 54.66,70.99 54.68,71.05 54.71,71.11 56.78,76.47 56.81,76.54 56.84,76.61 56.86,76.69 56.88,76.76 56.91,76.83 56.93,76.91 56.95,76.98 56.96,77.06 56.98,77.13 57,77.21 57.01,77.28 57.02,77.36 57.04,77.44 57.05,77.51 57.05,77.59 57.52,82.06 58.03,86.89 58.04,86.95 58.05,87.02 58.06,87.08 58.07,87.15 58.08,87.21 58.09,87.27 58.11,87.34 58.12,87.4 58.14,87.46 58.16,87.53 58.17,87.59 58.19,87.65 58.22,87.71 58.24,87.77 58.26,87.83 60.34,93.19 60.36,93.26 60.39,93.33 60.41,93.41 60.44,93.48 60.46,93.55 60.48,93.63 60.5,93.7 60.52,93.78 60.54,93.85 60.55,93.93 60.57,94 60.58,94.08 60.59,94.16 60.6,94.23 60.61,94.31 61.08,98.78